# Altium PCB NZPP.PcbDoc (part 1 of 3) (continued)
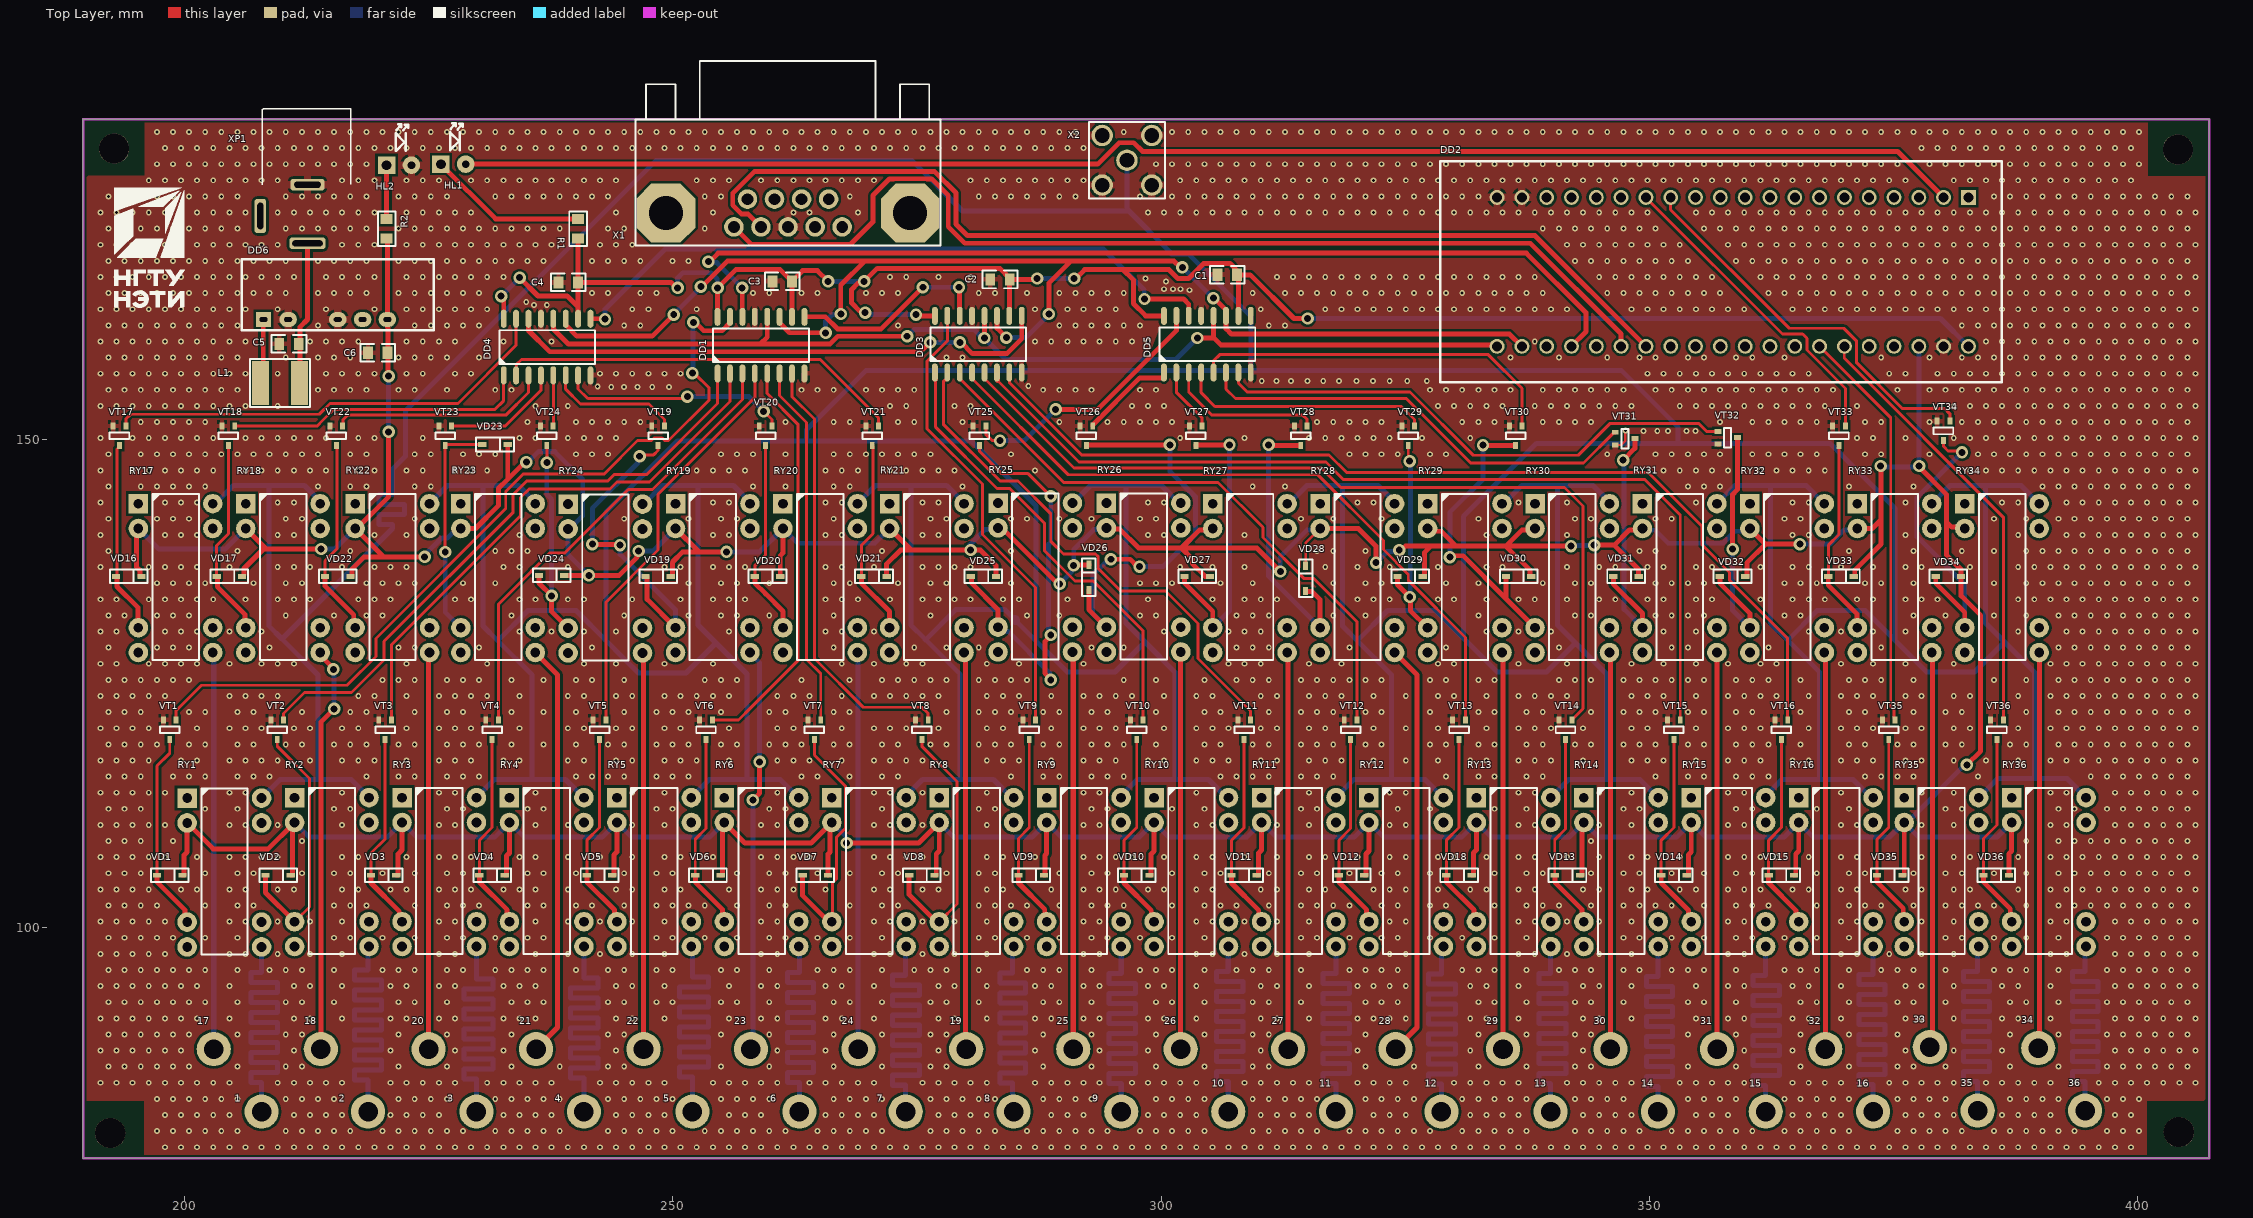
[diagram p0: Top Layer view]
## Components (designator, comment, footprint, x,y, rotation, side; value= is the part's Value field where it differs from the comment) (continued)
VT20 "PDTD113ZUX" SC-70 259.5,150.4 r270 top
VT21 "PDTD113ZUX" SC-70 270.416,150.4 r270 top
VT22 "PDTD113ZUX" SC-70 215.55,150.4 r270 top
VT23 "PDTD113ZUX" SC-70 226.7,150.4 r270 top
VT24 "PDTD113ZUX" SC-70 237.1,150.4 r270 top
VT25 "PDTD113ZUX" SC-70 281.4,150.4 r270 top
VT26 "PDTD113ZUX" SC-70 292.35,150.4 r270 top
VT27 "PDTD113ZUX" SC-70 303.55,150.4 r270 top
VT28 "PDTD113ZUX" SC-70 314.3,150.4 r270 top
VT29 "PDTD113ZUX" SC-70 325.3,150.4 r270 top
VT30 "PDTD113ZUX" SC-70 336.3,150.4 r270 top
VT31 "PDTD113ZUX" SC-70 347.5,150.1 r0 top
VT32 "PDTD113ZUX" SC-70 358,150.2 r0 top
VT33 "PDTD113ZUX" SC-70 369.4,150.4 r270 top
VT34 "PDTD113ZUX" SC-70 380.1,150.9 r270 top
VT35 "PDTD113ZUX" SC-70 374.5,120.3 r270 top
VT36 "PDTD113ZUX" SC-70 385.579,120.3 r270 top
X1 "DRB-9FA" "CON: DB-9F" 261.8,173.2 r270 top
X2 "SMA-KWHD" "CON: SMA-KWHD" 296.5,178.6 r270 top
XP1 "DS210" "CON: DS210" 212.6,176.1 r270 top

## Footprints (in the part's own frame and the unit in brackets; to place one, negate y for a bottom-side part, rotate by r counter-clockwise, add the part's x,y. Pads: shape width x height; smd on the part's side, far side on the other; paste and mask are expansions set on the pad)
74HC595D [mm]
  oval 1.85x0.6 smd mask+0.065: 1(-2.925,4.398) 2(-2.925,3.128) 3(-2.925,1.858) 4(-2.925,0.588) 5(-2.925,-0.682) 6(-2.925,-1.952) 7(-2.925,-3.222) 8(-2.925,-4.492) 9(2.875,-4.492) 10(2.875,-3.222) 11(2.875,-1.952) 12(2.875,-0.682) 13(2.875,0.588) 14(2.875,1.858) 15(2.875,3.128) 16(2.875,4.398)
  round 0.7 on Mech1: 25(-2.5,4.25)
  round 0.7 on Top Overlay: ""(-2.9,5.35)
  silkscreen extent -1.75,-4.95 1.7,4.85, body extent -3.09,-5.06 3.04,4.91, height 1.73
100мкГн [mm]
  rect 1.75x4.5 smd: 1(1.125,0.15) 2(5.125,0.15)
  silkscreen extent 0.05,-2.3 6.2,2.6, body extent 0.88,-1.85 5.37,2.15, height 3.2
B1205S-2WR3 [mm]
  rect 1.5x1.5 hole 0.5 slot 0.8 at 0 deg: 1(2.226,-6.146)
  oval 1.8x1.5 hole 0.5 slot 0.8 at 0 deg: 2(4.756,-6.146) 4(9.836,-6.146) 5(12.376,-6.146) 6(14.916,-6.146)
  silkscreen extent 0,-7.25 19.65,0, body extent 0,-7.05 19.65,0, height 11.16
"CAP: 0805" [mm]
  rect 1x1.25 smd: 1(-1,0) 2(1,0)
  silkscreen extent -1.78,-0.9 1.78,0.9, body extent -1,-0.62 1,0.63, height 0.78
"CON: DB-9F" [mm]
  round 2 hole 1.2: 1(1.42,-5.54) 2(1.42,-2.77) 3(1.42,0) 4(1.42,2.77) 5(1.42,5.54) 6(-1.42,-4.155) 7(-1.42,-1.385) 8(-1.42,1.385) 9(-1.42,4.155)
  oct 6x6 hole 3.5: G1(0,12.5) G2(0,-12.5)
  silkscreen extent -15.58,-15.62 3.32,15.62, body extent -15.3,-15.4 3,15.41, height 12.52
"CON: DS210" [mm]
  rrect50% 1.2x3.7 hole 0.6 slot 3.1 at 90 deg: 1(6,0)
  rrect50% 1.2x3.5 hole 0.6 slot 2.7 at 90 deg: 2(0,0)
  rrect50% 3.5x1.2 hole 0.6 slot 2.7 at 0 deg: 3(3.2,-4.825)
  silkscreen extent -7.8,-4.62 0,4.45, body extent -7.8,-5.1 6.7,4.45, height 11.1
"CON: SMA-KWHD" [mm] "SMA угловой на плату"
  round 2.2 hole 1.5 mask+0.1: 1(0,0) 2(-2.54,2.54) 2(-2.54,-2.54) 2(2.54,2.54) 2(2.54,-2.54)
  silkscreen extent -3.9,-3.9 3.9,3.9, body extent -11.5,-3.5 3.5,3.5, height 9.7
"DIODE: SOD323" [mm]
  rect 0.85x0.5 smd: 1(-1.3,0) 2(1.3,0)
  silkscreen extent -1.92,-0.7 1.92,0.7, body extent -1.15,-0.6 1.15,0.6, height 1.04
led [mm]
  rect 1.8x1.8 hole 1: 1(0,0)
  round 1.8 hole 0.8: 2(2.54,0)
  silkscreen extent 0.95,1.45 2.21,4.2, body extent -0.4,-1.95 3.16,1.88, height 8.6
"led green" [mm]
  rect 1.8x1.8 hole 1: 1(0,0)
  round 1.8 hole 0.8: 2(2.54,0)
  silkscreen extent 0.95,1.45 2.21,4.2, body extent -0.4,-1.95 3.16,1.88, height 8.6
Point#1 [mm]
  round 3.5 hole 2: 1(0,0)
Point#2 [mm]
  round 3.5 hole 2: 1(0,-2.8)
"RES: 0805" [mm]
  rect 1x1.25 smd: 1(-1,0) 2(1,0)
  silkscreen extent -1.78,-0.9 1.78,0.9, body extent -1,-0.6 1,0.6, height 0.44
SC-70 [mm]
  rect 0.7x0.5 smd: 1(-1,0.65) 2(-1,-0.65) 3(1,0)
  round 0.5 on Mech1: ""(-0.7,0.7)
  silkscreen extent -0.35,-1 0.35,1, body extent -1.12,-1.1 1.12,1.1, height 1.1
STM32F103C8T6 [mm]
  rect 1.524x1.524 hole 1.02: 1(-7.6,22.44)
  round 1.524 hole 1.02: 2(-7.6,19.9) 3(-7.6,17.36) 4(-7.6,14.82) 5V(7.65,17.36) 7(-7.6,-18.2) 10(-7.6,12.28) 11(-7.6,9.74) 12(-7.6,7.2) 13(-7.6,4.66) 14(-7.6,2.12) 15(-7.6,-0.42) 16(-7.6,-2.96) 17(-7.6,-5.5) 18(-7.6,-8.04) 19(-7.6,-10.58) 21(-7.6,-13.12) 22(-7.6,-15.66) 25(7.65,-25.82) 26(7.65,-23.28) 27(7.65,-20.74) 28(7.65,-18.2) 29(7.65,-15.66) 30(7.65,-13.12) 31(7.65,-10.58) 32(7.65,-8.04) 33(7.65,-5.5) 38(7.65,-2.96) 39(7.65,-0.42) 40(7.65,2.12) 41(7.65,4.66) 42(7.65,7.2) 43(7.65,9.74) 45(7.65,12.28) 46(7.65,14.82) A1(-7.6,-20.74) A2(7.65,22.44) GND(-7.6,-25.82) GND(-7.6,-23.28) GND(7.65,19.9)
  silkscreen extent -11.28,-31.66 11.32,25.87, body extent -11.46,-29.35 11.4,28.21, height 20.77
TRR-1A-05-D-00-R [mm]
  rect 2x2 hole 1: 1(0,0)
  round 2 hole 1: 2(0,-2.54) 6(0,-12.7) 7(0,-15.24) 8(7.62,-15.24) 9(7.62,-12.7) 13(7.62,-2.54) 14(7.62,0)
  round 0.7 on Top Overlay: ""(0,1.75)
  silkscreen extent 1.45,-16 6.2,1, body extent -0.4,-17.25 8.02,2.25, height 5.9

## Part data
C1 C2 C3 C4 C5 C6: library part Ceramic_0805, Наименование="0805 10мкФ X7R 10%", Примечание=SMD
DD2: library part STM32F103
HL1 HL2: library part LED
L1: library part "Дроссель 100мкГн CD43-101K"
R1 R2: library part Resistor_0805, Наименование="0805 100кОм", Примечание=SMD
VD1 VD2 VD3 VD4 VD5 VD6 VD7 VD8 VD9 VD10 VD11 VD12 VD13 VD14 VD15 VD16 VD17 VD18 VD19 VD20 VD21 VD22 VD23 VD24 VD25 VD26 VD27 VD28 VD29 VD30 VD31 VD32 VD33 VD34 VD35 VD36: library part Diode_single, Наименование=1N4148, Примечание=SMD
VT1 VT2 VT3 VT4 VT5 VT6 VT7 VT8 VT9 VT10 VT11 VT12 VT13 VT14 VT15 VT16 VT17 VT18 VT19 VT20 VT21 VT22 VT23 VT24 VT25 VT26 VT27 VT28 VT29 VT30 VT31 VT32 VT33 VT34 VT35 VT36: library part BJT_NPN_132, CurrentCE=100mA, CurrentGain=420, Frequency=100MHz, Manufacturer="ON Semiconductor", MaxPower=300mW, Package=SOT-23, Temperature=-55...+125°C, ValueManufacturerPartNumber="NPN transistor, 45V, 100mA, 100MHz, 300mW, 0.6V, 420, SOT-23, -55...+125°C", VoltageCE=45V, VoltageSaturation=0.6V, HelpURL=https://www.digikey.com/product-detail/en/on-semiconductor/BC847CLT1G/BC847CLT1GOSCT-ND/917836, PartNumber=PDTD113ZUX, TypeTransistor="NPN transistor"
X2: library part Connector_terminal_2pin, Наименование=DG350-3.5-02P-14
X1: Наименование=DRB-9FA
XP1: Valuerus=DS210

## Free pads (board coordinates)
  round 3.1 hole 3.1 unplated: 2(192.4,79) 2(192.8,179.8) 2(404.1,179.7) 2(404.2,79.1)

## Via types
v1: diameter 0.6, hole 0.3, Top Layer to Bottom Layer, tented both sides, 4188 vias
v2: diameter 1.27, hole 0.711, Top Layer to Bottom Layer, tented both sides, 80 vias
v3: diameter 1.27, hole 0.711, Top Layer to Bottom Layer, 2 vias

## Nets (pads, with @x,y where several pads share a name; then routed paths per layer and width w, separated by ;. In a path a pad name is that pad's centre, name@x,y a point inside that pad or via, vN(x,y) a via of type N, cw(c..) or ccw(c..) an arc to the next point about the centre after c; other vN are vias at no path point)
1: DD1.15 VT1.1 | length 84.9
  Top Layer w0.3: VT1.1@199.15,121.3 199.15,122.25 201.754,124.854 216.654,124.854 219.6,127.8 219.6,129.634 232.9,142.934 232.9,144.68 234.72,146.5 243,146.5 246.4,149.9 247.829,149.9 248.083,150.154 248.917,150.154 249.171,149.9 249.568,149.9 253.7,154.032 253.7,155.308 v2@252.208,156.8
  Top Layer w0.5: v2(252,156.8) v2@252.208,156.8 ; v2(252.1,162) 252.308,162 253.162,161.146 255.053,161.146 255.857,161.95 DD1.15@255.857,162.575
  Bottom Layer w0.5: v2(252,156.8) 252.05,156.85 252.05,161.95 v2(252.1,162)
2: DD1.1 VT2.1 | length 63.5
  Top Layer w0.3: VT2.1@210.15,121.3 210.15,121.95 212.3,124.1 217.1,124.1 220.446,127.446 220.446,129.346 233.662,142.562 233.662,144.375 235.033,145.746 243.312,145.746 243.978,146.412 247.312,146.412 254.587,153.687 DD1.1@254.587,156.775
3: DD1.2 VT3.1 | length 56.6
  Top Layer w0.3: VT3.1@221.2,121.3 221.2,129 234.416,142.216 234.416,144.063 235.299,144.946 243.579,144.946 244.291,145.658 247.624,145.658 255.857,153.891 DD1.2@255.857,156.775
4: DD1.3 VT4.1 | length 48.2
  Top Layer w0.3: VT4.1@232.15,121.3 232.15,133.15 235.471,136.471 235.471,136.517 235.708,136.754 235.754,136.754 237.398,138.398 238.945,138.398 245.451,144.904 247.937,144.904 257.127,154.095 DD1.3@257.127,156.775
5: DD1.4 VT5.1 | length 41.8
  Top Layer w0.3: VT5.1@243.15,121.3 243.15,133.35 248.5,138.7 248.5,144.401 258.397,154.298 DD1.4@258.397,156.775
6: DD1.5 VT6.1 | length 42
  Top Layer w0.3: VT6.1@254.05,121.3 256.74,121.3 258.04,122.6 262.8,127.36 262.8,151.576 259.667,154.708 DD1.5@259.667,156.775
7: DD1.6 VT7.1 | length 37.2
  Top Layer w0.3: DD1.6@260.937,156.775 260.937,154.505 263.7,151.742 263.7,127.5 265.15,126.05 VT7.1@265.15,121.3
8: DD1.7 VT8.1 | length 44.8
  Top Layer w0.3: DD1.7@262.207,156.775 262.207,154.393 264.5,152.1 264.5,127.6 269.5,122.6 275.5,122.6 276.15,121.95 VT8.1@276.15,121.3
9: DD3.15 VT9.1 | length 46.8
  Top Layer w0.3: DD3.15@278.105,162.675 278.105,160.105 276.031,158.031 276.031,151.111 281.7,145.442 281.7,140.3 287.15,134.85 VT9.1@287.15,121.3
10: DD3.1 VT10.1 | length 46.3
  Top Layer w0.3: DD3.1@276.882,156.133 276.882,151.327 283.205,145.004 284.508,145.004 288.042,141.47 288.042,138.662 291.175,135.529 293.059,135.529 298.15,130.438 VT10.1@298.15,121.3
  Top Layer w0.5: DD3.1@276.835,156.875 276.854,156.856 276.854,156.16 DD3.1@276.882,156.133
11: DD3.2 VT11.1 | length 54.4
  Top Layer w0.3: DD3.2@278.105,156.875 278.105,156.33 277.7,155.924 277.7,151.575 283.517,145.758 285.342,145.758 288.696,142.404 288.696,139.604 290,138.3 293.268,138.3 293.561,138.007 293.561,136.797 295.858,134.5 300.446,134.5 303.776,131.17 303.776,127.577 309.15,122.203 VT11.1@309.15,121.3
12: DD3.3 VT12.1 | length 62.3
  Top Layer w0.3: DD3.3@279.375,156.25 290.025,145.6 305.833,145.6 310.415,141.018 310.415,139.985 314.6,135.8 315.6,135.8 320.05,131.35 VT12.1@320.05,121.3
  Top Layer w0.5: DD3.3@279.375,156.25 DD3.3@279.375,156.875
13: DD3.4 VT13.1 | length 71.5
  Top Layer w0.3: DD3.4@280.645,156.25 290.495,146.4 316.033,146.4 322.754,139.679 322.754,138.746 325.3,136.2 325.3,135.6 331.15,129.75 VT13.1@331.15,121.3
  Top Layer w0.5: DD3.4@280.645,156.25 DD3.4@280.645,156.875
14: DD3.5 VT14.1 | length 89.7
  Top Layer w0.3: DD3.5@281.915,156.25 291.065,147.1 316.399,147.1 318.399,145.1 341.3,145.1 343.2,143.2 343.2,122.45 VT14.1@342.05,121.3
  Top Layer w0.5: DD3.5@281.915,156.25 DD3.5@281.915,156.875
15: DD3.6 VT15.1 | length 97.4
  Top Layer w0.3: DD3.6@283.235,156.065 291.6,147.7 316.865,147.7 318.667,145.899 349.534,145.899 353.15,142.283 VT15.1@353.15,121.3
  Top Layer w0.5: DD3.6@283.185,156.875 283.185,156.223 283.235,156.173 DD3.6@283.235,156.065
16: DD3.7 VT16.1 | length 101.5
  Top Layer w0.3: DD3.7@284.474,156.856 284.483,156.847 284.483,155.817 291.868,148.432 317.2,148.432 318.979,146.653 349.846,146.653 355.396,141.103 355.396,139.204 358.2,136.4 358.2,135.6 364.15,129.65 VT16.1@364.15,121.3
  Top Layer w0.5: DD3.7@284.455,156.875 DD3.7@284.474,156.856
17: DD4.15 VT17.1 | length 46.5
  Top Layer w0.3: VT17.1@194,151.4 194,152.1 194.5,152.6 213.8,152.6 214.9,153.7 228,153.7 233.957,159.657 DD4.15@233.957,162.375
18: DD4.1 VT18.1 | length 31.2
  Top Layer w0.3: VT18.1@205.15,151.4 213.6,151.4 214.146,151.946 214.146,151.959 214.441,152.254 214.454,152.254 215.3,153.1 231.8,153.1 232.687,153.987 DD4.1@232.687,156.575
19: DD4.2 VT21.1 | length 41.7
  Top Layer w0.3: DD4.2@233.976,156.594 233.976,157.676 234.5,158.2 265.1,158.2 271.066,152.234 VT21.1@271.066,151.4
  Top Layer w0.5: DD4.2@233.957,156.575 DD4.2@233.976,156.594
20: DD4.3 VT22.1 | length 22.5
  Top Layer w0.3: VT22.1@216.2,151.4 216.218,151.418 216.218,152.018 216.7,152.5 232.9,152.5 235.227,154.827 DD4.3@235.227,156.575
21: DD4.4 VT23.1 | length 12.2
  Top Layer w0.3: VT23.1@227.35,151.4 232.852,151.4 236.497,155.045 DD4.4@236.497,156.575
22: DD4.5 VT24.1 | length 5.2
  Top Layer w0.3: VT24.1@237.767,151.4 DD4.5@237.767,156.575
23: DD4.6 VT19.1 | length 13.5
  Top Layer w0.3: DD4.6@239.037,155.95 239.037,155.163 240.554,153.646 247.554,153.646 249.15,152.05 VT19.1@249.15,151.4
  Top Layer w0.5: DD4.6@239.037,155.95 DD4.6@239.037,156.575
24: DD4.7 VT20.1 | length 23.3
  Top Layer w0.3: DD4.7@240.307,155.95 240.307,155.19 241.297,154.2 250.839,154.2 250.854,154.214 251.314,154.214 v2(251.5,154.4) ; v2@259.447,152.753 260.15,152.05 VT20.1@260.15,151.4
  Top Layer w0.5: DD4.7@240.307,155.95 DD4.7@240.307,156.575 ; v2(259.3,152.9) v2@259.447,152.753
  Bottom Layer w0.5: v2(251.5,154.4) 257.8,154.4 v2(259.3,152.9)
25: DD5.15 VT25.1 | length 26.8
  Top Layer w0.3: VT25.1@282.05,151.4 282.05,150.55 282.7,149.9 v2(283.5,149.9)
  Top Layer w0.5: v2(289.2,153.1) 293.5,153.1 301.557,161.157 DD5.15@301.557,162.675
  Bottom Layer w0.5: v2(283.5,149.9) 286,149.9 v2(289.2,153.1)
26: DD5.1 VT26.1 | length 9.9
  Top Layer w0.5: VT26.1@293,151.4 293,151.5 297.82,156.32 300.241,156.32 300.287,156.366 DD5.1@300.287,156.875
27: DD5.2 VT27.1 | length 6.6
  Top Layer w0.3: DD5.2@301.557,156.875 301.557,154.843 304.2,152.2 VT27.1@304.2,151.4
28: DD5.3 VT28.1 | length 15.9
  Top Layer w0.3: DD5.3@302.827,156.875 302.827,154.873 305.2,152.5 314.5,152.5 314.95,152.05 VT28.1@314.95,151.4
29: DD5.4 VT29.1 | length 25.7
  Top Layer w0.3: DD5.4@304.097,156.875 304.097,154.803 305.5,153.4 324.6,153.4 325.95,152.05 VT29.1@325.95,151.4
30: DD5.5 VT30.1 | length 38.3
  Top Layer w0.3: DD5.5@305.367,157.5 305.367,158.067 306,158.7 333.5,158.7 336.95,155.25 VT30.1@336.95,151.4
  Top Layer w0.5: DD5.5@305.367,156.875 DD5.5@305.367,157.5
31: DD5.6 VT31.1 | length 46
  Top Layer w0.3: DD5.6@306.637,156.875 306.637,155.163 307.6,154.2 325.1,154.2 331.7,147.6 343.25,147.6 VT31.1@346.4,150.75
  Top Layer w0.5: VT31.1@346.4,150.75 VT31.1@346.5,150.75
32: DD5.7 VT32.1 | length 54.9
  Top Layer w0.3: DD5.7@307.921,156.861 307.921,155.779 308.81,154.89 325.476,154.89 331.966,148.4 342.7,148.4 345.933,151.633 355.067,151.633 355.85,150.85 VT32.1@357,150.85
  Top Layer w0.5: DD5.7@307.907,156.875 DD5.7@307.921,156.861
33: DD2.19 VT33.1 | length 32.8
  Top Layer w0.3: DD2.19@349.62,174.8 363.604,160.816 365.684,160.816 366.126,160.374 366.126,159.174 370.054,155.246 VT33.1@370.054,151.651
34: DD2.18 VT34.1 | length 40.6
  Top Layer w0.3: DD2.18@352.16,174.8 352.16,173.54 364.3,161.4 369.88,161.4 371.21,160.07 371.21,157.865 375.875,153.2 379.35,153.2 ; 379.353,153.197 380.203,153.197 380.75,152.65 VT34.1@380.75,151.8
35: DD2.42 VT35.1 | length 41.7
  Top Layer w0.3: DD2.42@367.4,159.55 374.7,152.25 374.7,122.7 375.05,122.35 375.05,121.5 375.15,121.4 VT35.1@375.15,121.3
  Top Layer w0.5: DD2.42@367.4,159.55 DD2.42@367.596,159.354
36: DD2.43 VT36.1 | length 45
  Top Layer w0.3: DD2.43@369.94,159.55 369.94,158.351 386.229,142.062 VT36.1@386.229,121.3
+3V3: C1.2 C2.2 C3.2 C4.2 DD1.10 DD1.16 DD2.A2 DD3.10 DD3.16 DD4.10 DD4.16 DD5.10 DD5.16 R1.2 | length 207.9
  Top Layer w0.5: v2(232.418,164.682) 232.418,164.474 232.687,164.204 DD4.16@232.687,162.375 ; v2(234.318,166.582) 236.2,164.7 239.2,164.7 240.3,163.6 ; R1.2@240.3,170.45 C4.2@240.3,166.1 ; DD4.10@240.307,162.375 240.307,163.593 240.3,163.6 ; v2(250.5,165.539) 250.383,165.539 249.822,166.1 C4.2@240.3,166.1 ; DD1.16@254.587,162.575 254.594,162.581 254.594,165.533 v2(254.6,165.539) 256.461,167.4 261,167.4 C3.2@262.2,166.2 ; DD1.10@262.207,162.575 262.204,162.579 262.204,166.196 C3.2@262.2,166.2 ; v2(265.9,166.2) 264.8,167.3 263.3,167.3 C3.2@262.2,166.2 ; v2(269.7,163) 269.553,163.147 269.153,163.147 268.3,164 268.3,165.356 268.997,166.053 269.453,166.053 270.929,167.529 283.496,167.529 C2.2@284.474,166.551 ; v2(274.9,162.8) 275.025,162.675 DD3.16@276.835,162.675 ; DD3.10@284.455,162.675 284.474,162.694 C2.2@284.474,166.4 ; C2.2@284.5,166.4 287.2,166.4 v2(287.3,166.5) ; v2(291.1,166.5) 291.259,166.5 292.159,167.4 296.1,167.4 ; DD5.16@300.287,162.675 298.414,162.675 297.152,163.938 297.152,166.348 296.1,167.4 ; C1.2@307.771,166.873 309.127,166.873 313.6,162.4 v2(315,162.4) ; DD5.10@307.907,162.675 307.904,162.679 307.904,166.396 307.707,166.593 307.707,167.393 307.065,168.035 304.346,168.035 302.811,166.5 301.7,166.5 300.8,167.4 296.1,167.4 ; 240.3,163.6 C4.2@240.3,166.1
  Bottom Layer w0.5: v2(232.418,164.682) v2(234.318,166.582) ; v2(250.5,165.539) 250.5,166.545 251.036,167.081 253.919,167.081 254.551,166.449 254.551,165.588 v2(254.6,165.539) ; v2(265.9,166.2) v2(269.6,166.2) ; v2(269.7,163) 269.9,162.8 v2(274.9,162.8) ; v2(287.3,166.5) v2(291.1,166.5) ; v2(315,162.4) 379.79,162.4 DD2.A2@382.64,159.55
+5V: C6.2 DD2.5V DD6.6 R2.2 RY1.2 RY2.2 RY3.2 RY4.2 RY5.2 RY6.2 RY7.2 RY8.2 RY9.2 RY10.2 RY11.2 RY12.2 RY13.2 RY14.2 RY15.2 RY16.2 RY17.2 RY18.2 RY19.2 RY20.2 RY21.2 RY22.2 RY23.2 RY24.2 RY25.2 RY26.2 RY27.2 RY28.2 RY29.2 RY30.2 RY31.2 RY32.2 RY33.2 RY34.2 RY35.2 RY36.2 VD1.2 VD2.2 VD3.2 VD4.2 VD5.2 VD6.2 VD7.2 VD8.2 VD9.2 VD10.2 VD11.2 VD12.2 VD13.2 VD14.2 VD15.2 VD16.2 VD17.2 VD18.2 VD19.2 VD20.2 VD21.2 VD22.2 VD23.2 VD24.2 VD25.2 VD26.2 VD27.2 VD28.2 VD29.2 VD30.2 VD31.2 VD32.2 VD33.2 VD34.2 VD35.2 VD36.2 | length 719.2
  Top Layer w0.254: VD28.2@314.8,137.1 314.8,139.42 RY28.2@316.28,140.9
  Top Layer w0.5: RY17.2@195.28,140.9 195.1,140.72 195.1,136.95 195.45,136.6 195.45,136 VD16.2@195.7,136 ; VD1.2@199.8,105.4 199.975,105.4 199.975,107.475 200.28,107.78 RY1.2@200.28,110.76 202.94,108.1 208.58,108.1 RY2.2@211.075,110.595 ; VD17.2@205.9,136 VD17.2@206.075,136 ; VD17.2@206.1,136.2 206.1,136.8 208.1,138.8 208.38,138.8 ; RY18.2@206.28,140.9 208.38,138.8 ; VD2.2@210.9,105.4 211.075,105.4 RY2.2@211.075,110.595 ; RY2.2@211.28,110.8 RY2.2@211.075,110.595 ; v2(214,138.8) 208.38,138.8 ; VD22.2@217,136 217.175,136 217.175,136.775 218.4,138 220.38,138 ; DD6.6@220.778,162.6 220.778,161.522 220.85,161.45 220.85,156.55 v2(220.9,156.5) ; DD6.6@220.78,162.6 R2.2@220.78,170.6 ; v2(220.9,150.8) 220.9,144.147 217.653,140.9 RY22.2@217.48,140.9 220.38,138 ; VD3.2@221.7,105.4 221.875,105.4 221.875,107.575 222.28,107.98 RY3.2@222.28,110.8 ; v2(224.6,138) 220.38,138 ; RY23.2@228.3,140.9 229.8,140.9 232.146,143.246 232.146,144.992 233.1,145.946 ; VD4.2@232.8,105.4 232.975,105.4 232.975,107.375 233.28,107.68 RY4.2@233.28,110.8 ; VD23.2@233.1,149.5 233.1,145.946 ; v2(235,147.7) 234.854,147.7 233.1,145.946 ; VD24.2@238.9,136.1 v2(241.4,136.1) 244.5,136.1 246.353,137.953 246.353,138.453 v2(246.5,138.6) ; VD5.2@243.8,105.4 243.975,105.4 243.975,107.475 244.28,107.78 RY5.2@244.28,110.8 ; VD19.2@249.8,136 249.975,136 249.975,137.475 251,138.5 252.68,138.5 ; RY19.2@250.28,140.9 252.68,138.5 ; VD6.2@254.9,105.4 255.075,105.4 255.075,110.595 RY6.2@255.28,110.8 257.38,108.7 264.18,108.7 RY7.2@266.28,110.8 ; v2(255.5,138.5) 252.68,138.5 ; VD20.2@261.175,136 VD20.2@261,136 261,138.12 261.28,138.4 RY20.2@261.28,140.9 ; VD7.2@265.9,105.4 265.9,107.568 266.11,107.778 266.11,110.63 RY7.2@266.128,110.648 ; v2(267.803,108.7) 275.18,108.7 RY8.2@277.28,110.8 277.28,107.88 276.975,107.575 276.975,105.4 VD8.2@276.8,105.4 ; VD21.2@271.9,136 271.9,137.273 273.327,138.7 274.4,138.7 ; RY21.2@272.2,140.9 274.4,138.7 ; VD25.2@283.1,136 283.1,137.1 281.5,138.7 v2(280.5,138.7) 274.4,138.7 ; RY25.2@283.299,140.96 283.673,140.96 289.399,135.234 v2(289.607,135.234) ; VD9.2@288,105.4 288.1,105.4 288.1,107.42 288.28,107.6 RY9.2@288.28,110.8 ; v2(291.05,137.123) 291.088,137.162 292.6,137.162 VD26.2@292.6,137.2 ; RY26.2@294.399,140.96 294.516,140.843 295.757,140.843 297.7,138.9 302.086,138.9 ; VD10.2@298.8,105.4 298.975,105.4 298.975,107.575 299.28,107.88 RY10.2@299.28,110.8 ; VD27.2@305,136 304.5,136 303.2,137.3 303.2,137.786 302.086,138.9 ; RY27.2@305.28,140.9 305.139,140.759 303.946,140.759 302.086,138.9 ; VD11.2@309.8,105.4 309.975,105.4 309.975,107.675 310.28,107.98 RY11.2@310.28,110.8 ; v2(312.2,136.5) 309.8,138.9 302.086,138.9 ; RY28.2@316.28,140.9 320.2,140.9 322,139.1 v2(322,137.4) ; VD12.2@320.8,105.4 320.975,105.4 320.975,107.575 321.28,107.88 RY12.2@321.28,110.8 ; v2@324.429,138.729 v2(324.379,138.679) 324.587,138.679 325.008,139.1 327.604,139.1 ; VD29.2@326.8,136 326.975,136 326.975,138.471 327.604,139.1 ; RY29.2@327.28,140.9 327.567,140.613 328.687,140.613 330.2,139.1 ; VD18.2@331.8,105.4 331.975,105.4 331.975,107.675 332.28,107.98 RY13.2@332.28,110.8 ; VD30.2@337.9,136 337.782,136 337.782,136.618 335.3,139.1 ; RY30.2@338.28,140.9 338.133,140.753 336.953,140.753 335.3,139.1 ; v2(341.961,139.1) 335.3,139.1 ; VD13.2@342.9,105.4 343.075,105.4 343.075,110.595 RY14.2@343.28,110.8 ; v2(344.339,139.2) 346.398,139.2 ; VD31.2@348.9,136 348.891,136 348.891,136.707 346.398,139.2 ; RY31.2@349.28,140.9 349.134,140.754 347.952,140.754 346.398,139.2 ; VD14.2@353.8,105.4 353.975,105.4 353.975,107.475 354.28,107.78 RY15.2@354.28,110.8 ; VD32.2@359.8,136 359.975,136 359.975,137.395 361.88,139.3 ; RY32.2@360.28,140.9 361.88,139.3 ; VD15.2@364.8,105.4 364.975,105.4 364.975,107.575 365.28,107.88 RY16.2@365.28,110.8 ; v2(365.4,139.3) 361.88,139.3 ; VD33.2@370.9,136 371.018,136 371.018,136.618 373.7,139.3 373.7,141.8 ; RY33.2@371.28,140.9 372.8,140.9 373.7,141.8 ; v2(373.661,147.3) 373.7,147.261 373.7,141.8 ; VD35.2@375.9,105.4 VD35.2@376.075,105.4 ; VD35.2@376.08,105.4 RY35.2@376.08,110.8 ; v2(377.6,147.3) 377.6,147.2 380.4,144.4 380.4,144.067 380.404,144.063 380.404,141.596 ; VD34.2@382.075,136 VD34.2@381.9,136 ; RY34.2@382.28,140.9 382.133,141.047 380.953,141.047 380.404,141.596 ; v2(382.5,116.7) 383.9,118.1 383.9,132 381.9,134 VD34.2@381.9,136 ; VD36.2@386.8,105.4 386.8,107.6 387.08,107.88 RY36.2@387.08,110.8 ; 327.604,139.1 330.2,139.1 ; 330.2,139.1 335.3,139.1 ; 380.404,141.596 380.404,140.277 380.4,140.273 380.4,138.2 381.893,136.707 381.893,136 VD34.2@381.9,136
  Bottom Layer w0.5: RY17.2@195.28,140.9 197.38,138.8 204.18,138.8 RY18.2@206.28,140.9 ; RY2.2@211.09,110.8 RY2.2@211.28,110.8 212.784,109.296 220.776,109.296 RY3.2@222.28,110.8 223.784,109.296 231.776,109.296 RY4.2@233.28,110.8 234.784,109.296 242.776,109.296 RY5.2@244.28,110.8 245.784,109.296 253.776,109.296 RY6.2@255.28,110.8 ; v2(214,138.8) 214.005,138.805 215.385,138.805 RY22.2@217.48,140.9 ; v2(220.9,150.8) v2(220.9,156.5) ; v2(224.6,138) 224.6,138.2 226.32,139.92 226.914,139.92 227.894,140.9 RY23.2@228.3,140.9 ; v2(235,147.7) 235.142,147.7 236.22,148.778 237.922,148.778 240.784,145.916 240.784,142.191 239.453,140.86 RY24.2@239.28,140.86 239.28,138.22 v2(241.4,136.1) ; v2(246.5,138.6) 247.98,138.6 RY19.2@250.28,140.9 ; v2(255.5,138.5) 258.88,138.5 RY20.2@261.28,140.9 262.784,139.396 270.696,139.396 RY21.2@272.2,140.9 ; RY7.2@266.28,110.8 267.706,109.374 267.706,108.798 v2(267.803,108.7) ; RY8.2@277.28,110.8 278.784,109.296 286.776,109.296 RY9.2@288.28,110.8 289.784,109.296 297.776,109.296 RY10.2@299.28,110.8 300.784,109.296 308.776,109.296 RY11.2@310.28,110.8 311.784,109.296 319.776,109.296 RY12.2@321.28,110.8 322.784,109.296 330.776,109.296 RY13.2@332.28,110.8 333.784,109.296 341.776,109.296 RY14.2@343.28,110.8 344.784,109.296 352.776,109.296 RY15.2@354.28,110.8 355.784,109.296 363.776,109.296 RY16.2@365.28,110.8 366.784,109.296 374.576,109.296 RY35.2@376.08,110.8 ; v2@280.378,139.201 281.981,140.804 283.143,140.804 RY25.2@283.299,140.96 ; v2(289.607,135.234) 290.902,136.529 290.902,136.976 v2(291.05,137.123) 291.05,138.75 293.092,140.792 294.231,140.792 RY26.2@294.399,140.96 ; v2(312.2,136.5) 312.2,138 314.953,140.753 316.133,140.753 RY28.2@316.28,140.9 ; v2(322,137.4) 323.131,138.531 324.231,138.531 v2(324.379,138.679) ; v2(341.961,139.1) 342.011,139.15 344.289,139.15 v2(344.339,139.2) ; RY31.2@349.28,140.9 349.457,140.723 350.577,140.723 351.904,139.396 357.523,139.396 358.74,140.613 359.993,140.613 RY32.2@360.28,140.9 ; v2(365.4,139.3) 368.5,139.3 369.953,140.753 371.133,140.753 RY33.2@371.28,140.9 ; v2(373.661,147.3) 373.761,147.2 377.5,147.2 v2(377.6,147.3) 377.58,147.32 377.58,159.53 DD2.5V@377.56,159.55 ; v2(382.5,116.7) 382.292,116.7 376.392,110.8 RY35.2@376.08,110.8 ; RY36.2@387.08,110.8 385.576,109.296 377.584,109.296 RY35.2@376.08,110.8
GND: C1.1 C2.1 C3.1 C4.1 C5.1 C6.1 DD1.8 DD1.13 DD2.GND DD3.8 DD3.13 DD4.8 DD4.13 DD5.8 DD5.13 DD6.2 DD6.4 HL2.2 VT1.2 VT2.2 VT3.2 VT4.2 VT5.2 VT6.2 VT7.2 VT8.2 VT9.2 VT10.2 VT11.2 VT12.2 VT13.2 VT14.2 VT15.2 VT16.2 VT17.2 VT18.2 VT19.2 VT20.2 VT21.2 VT22.2 VT23.2 VT24.2 VT25.2 VT26.2 VT27.2 VT28.2 VT29.2 VT30.2 VT31.2 VT32.2 VT33.2 VT34.2 VT35.2 VT36.2 X1.3 X2.2 XP1.2 | length 2.5
  Top Layer w0.254: VT31.2@346.5,149.45 347.1,149.45 347.534,149.884 347.534,150.923 v1(347.539,150.929)
  Top Layer w0.3: VT20.2@258.85,151.4 VT20.2@258.893,151.357
  Top Layer w0.5: DD1.8@263.477,156.775 DD1.8@263.491,156.761 ; DD5.8@309.177,156.875 DD5.8@309.196,156.856 ; VT32.2@357,149.55 VT32.2@357.1,149.55